# Altium PCB PROC106B.PcbDoc (part 5 of 8)
Units mil, origin at the board's own origin, x right, y up, seen from the top; angles counter-clockwise.
Board outline 4498.18 x 1060.53 mil, 8 copper layers (Top Layer, GND1, Sig1, PWR1, PWR2, Sig2, GND2, Bottom Layer), stack 69.602 mil thick; 439 components, 327 nets, 1548 pads, 843 vias.
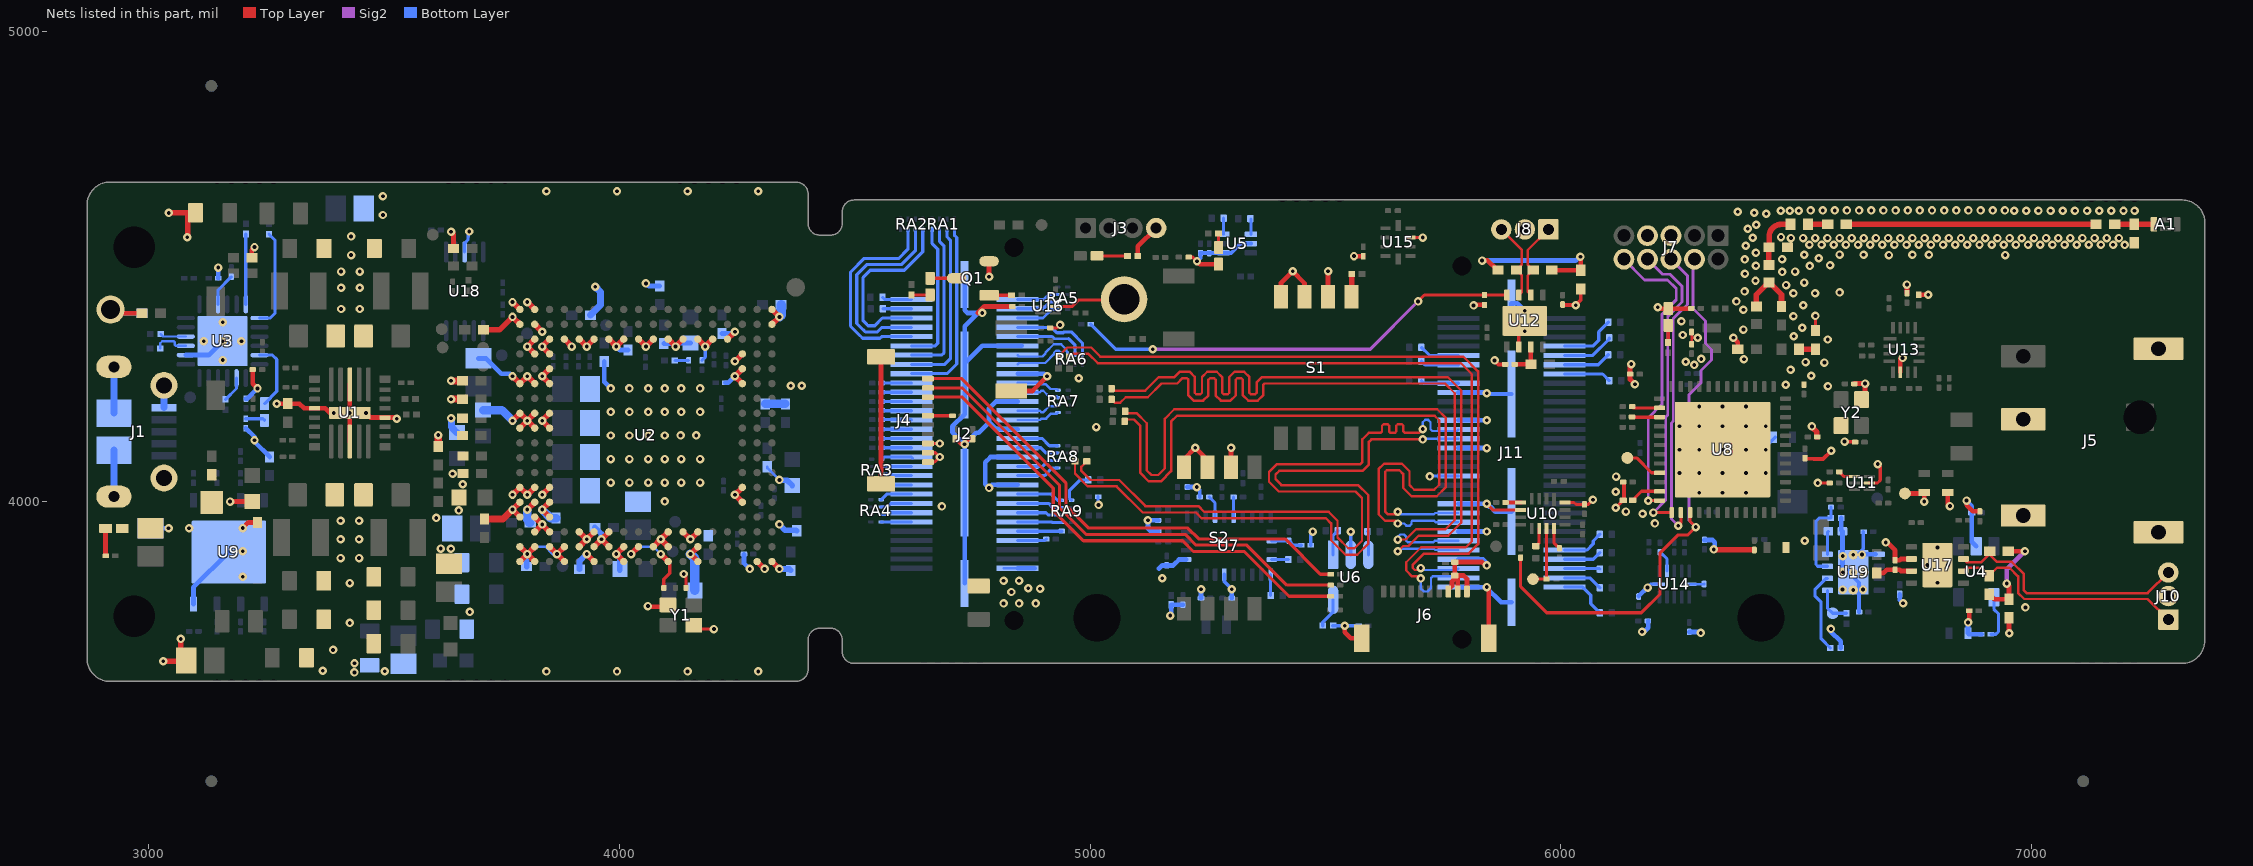
[diagram p11: the nets of this part, all layers, seen from the top]

## Via types
v1: diameter 18, hole 8, Top Layer to Bottom Layer, tented both sides, 804 vias
v2: diameter 19.68, hole 7.87, Top Layer to Bottom Layer, tented both sides, 34 vias
v3: diameter 20, hole 10, Top Layer to Bottom Layer, tented both sides, 3 vias
v4: diameter 18, hole 8, Top Layer to Bottom Layer, 1 vias
v5: diameter 17, hole 7.87, Top Layer to Bottom Layer, 1 vias

## Nets (pads, with @x,y where several pads share a name; then routed paths per layer and width w, separated by ;. In a path a pad name is that pad's centre, name@x,y a point inside that pad or via, vN(x,y) a via of type N, cw(c..) or ccw(c..) an arc to the next point about the centre after c; other vN are vias at no path point) (continued)
GND: C1.1 C2.2 C3.2 C4.2 C5.2 C6.1 C7.2 C8.2 C9.1 C10.1 C11.2 C12.1 C13.1 C14.2 C15.2 C16.2 C17.2 C18.2 C19.2 C20.2 C21.1 C23.2 C24.2 C25.2 C26.2 C27.2 C28.2 C29.2 C30.2 C31.2 C32.2 C33.1 C34.1 C35.2 C36.2 C37.2 C38.2 C39.2 C40.2 C41.2 C42.1 C43.1 C44.1 C45.1 C46.1 C47.1 C48.1 C49.1 C50.2 C51.2 C52.2 C53.2 C54.1 C55.2 C56.2 C57.2 C58.2 C59.2 C60.2 C61.2 C62.2 C63.2 C64.2 C65.2 C66.2 C67.2 C68.2 C69.2 C70.2 C71.2 C72.1 C73.1 C74.2 C75.1 C76.2 C77.1 C78.2 C79.2 C80.2 C81.2 C82.2 C83.2 C84.2 C85.2 C86.2 C87.2 C88.2 C89.2 C90.2 C91.1 C92.1 C94.2 C95.2 C96.2 C97.2 C98.2 C100.1 C101.1 C102.2 C103.2 C104.2 C105.1 C106.1 C107.2 C108.1 C109.1 C110.1 C111.1 C112.2 C113.2 C114.1 C115.2 C116.2 C117.2 C118.2 C119.2 C120.2 C121.2 C122.2 C123.2 C124.1 C125.2 C126.1 C127.2 C128.2 C129.2 C130.1 C131.1 J1.5 J1.6 J1.7 J1.8 J1.9 J1.10 J1.11 J2.20 J2.26 J2.32 J2.38 J2.44 J2.50 J2.MP1 J2.MP2 J2.MP3 J2.MP4 J3.4 J4.8 J4.9 J4.10 J4.11 J4.12 J5.2 J5.3 J5.4 J5.5 J6.8 J6.9 J6.10 J6.11 J6.12 J7.5 J7.7 J8.2 J10.2 J11.18 J11.24 J11.30 J11.36 J11.42 J11.48 J11.54 J11.60 J11.MP1 J11.MP2 J11.MP3 J11.MP4 LD1.2 LD2.2 LD6.2 Q1.2 R3.2 R15.1 R24.1 R29.1 R37.1 R42.2 R52.1 R65.1 R69.1 R73.1 R92.2 R93.2 R96.2 R98.2 R122.2 R125.1 R134.2 R141.2 R158.1 R170.1 R172.1 R180.1 S1.6 S1.7 S1.8 S2.6 S2.7 S2.8 SW2.2 TP12.1 TP15.1 TP20.1 U1.4 U1.11 U1.17 U1.24 U1.27 U2.A1 U2.A2 U2.A6 U2.A8 U2.A11 U2.A13 U2.A15 U2.A17 U2.A18 U2.B6 U2.B8 U2.B9 U2.B10 U2.B11 U2.B12 U2.B13 U2.B14 U2.B15 U2.B16 U2.B17 U2.B18 U2.C6 U2.C7 U2.C8 U2.C12 U2.C13 U2.C14 U2.C16 U2.C17 U2.D16 U2.D17 U2.D18 U2.E3 U2.E16 U2.E17 U2.E18 U2.F3 U2.F16 U2.F17 U2.F18 U2.K16 U2.K17 U2.K18 U2.L16 U2.L17 U2.L18 U2.N3 U2.N16 U2.N17 U2.N18 U2.P3 U2.P16 U2.R3 U2.R16 U2.R17 U2.T4 U2.T5 U2.T6 U2.T7 U2.T8 U2.T9 U2.T10 U2.T11 U2.T12 U2.T13 U2.T14 U2.T15 U2.T16 U2.T17 U2.U1 U2.U17 U2.U18 U2.V1 U2.V17 U2.V18 U3.2 U3.25 U4.2 U5.2 U5.4 U6.2 U7.2 U7.25 U8.49 U9.4 U9.9 U10.6 U10.16 U11.2 U12.2 U12.9@5923.44,4384.46 U13.6 U14.6 U15.3 U16.2 U17.2 U17.9@6799.78,3866 U18.3 U19.5 U19.9@6621.18,3850.46 Y1.2 Y1.4 Y2.2 Y2.4 | length 11299.2
  Top Layer w5.5: C20.2@6277.6,4334.83 6277.6,4349 ; C19.2@6277.6,4361.03 6277.6,4349 ; v1(6290.81,4348.8) 6290.61,4349 6277.6,4349 ; v1@6734.81,4462 v1(6735.03,4461.78) ; v1(6780.09,4440.28) v1@6780.81,4441
  Top Layer w6: C120.2@4915.19,4369.7 4929.78,4369.7 v1(4936.18,4376.1)
  Top Layer w6.7: Y1.4@4159.47,3735.43 4164.9,3730.01 v1(4200.76,3730.01) ; J4.10@4655.33,4084.75 4669.67,4084.75 v1(4680.38,4095.46) 4671.41,4104.44 J4.9@4655.33,4104.44 ; J4.8@4655.33,4124.12 v1(4680.38,4124.12) v1@4680.56,4124.12 ; C16.2@4713.47,4134.05 4725.12,4122.4 v1(4733.36,4122.4) 4744.91,4133.95 C15.2@4750.21,4133.95 ; U16.2@4926.29,4415.28 4962.3,4415.28 4975.97,4428.95 5056.97,4428.95 5056.97,4415.28 TP20.1@5072.16,4430.47 ; R125.1@5209.37,4520.03 5217.97,4520.03 v1(5227,4511) ; U15.3@5680.77,4561.63 v1(5706.58,4561.63) ; v1(5842.34,3996.23) 5842.34,3996.09 5855.35,3983.07 U10.6@5914.31,3983.07 ; U10.16@6008.8,3998.82 6027.93,3998.82 6032.01,3994.74 C117.2@6050.15,3994.74 6058,3994.74 v1(6068,4004.74) ; v1(6116.61,3987.62) C24.2@6132.46,4003.46 ; C21.1@6540.73,4363.78 v1(6540.73,4395.08) ; v1(6545.65,4040.29) C40.2@6571.09,4040.29 ; U11.2@6655.07,4040.29 6672.35,4040.29 6678.29,4046.23 6678.29,4075.35 v1(6673.18,4080.46)
  Top Layer w7: C71.2@4094.48,3817.45 4094.48,3836.09 4106.9,3848.51 4106.9,3867.87 4103.72,3871.04 U2.A8@4103.72,3873.41 ; v1(4136.75,3846.9) 4141.48,3842.17 C14.2@4141.48,3817.27
  Top Layer w8: v1(5299.37,4114.97) v1@5299.37,4116.68 ; v1(5859.11,4300.45) 5867.5,4292.07 C43.1@5881.77,4292.07 ; U12.2@5910.64,4329.34 5910.64,4371.67 U12.9@5923.44,4384.46 ; C105.1@6003.64,4419.31 6004.47,4418.48 6030.47,4418.48 v1(6031.3,4417.65) 6031.3,4417.89 6042.24,4428.83 6042.24,4452.55 C106.1@6042.33,4452.64 ; C26.2@6132.17,4042.21 6132.69,4042.21 6133.86,4041.04 6133.86,4004.87 C24.2@6132.46,4003.46 ; C27.2@6518.42,4093.15 6520.04,4091.53 6536.79,4091.53 6537.06,4091.26 6556.98,4091.26 v1(6574.19,4108.48) ; v1@6602.73,4128.38 v1(6602.58,4128.23) 6603.17,4127.63 6624.26,4127.63 C18.2@6624.86,4127.04
  Top Layer w10: TP12.1@2919.28,4408.64 2927.25,4400.66 C3.2@2986.2,4400.66 ; v1(3173.04,4000.84) C100.1@3220.18,4000.84 ; v1(3200,3944.52) 3211.85,3956.37 C34.1@3231.35,3956.37 ; C32.2@3219.18,4518.49 3219.18,4535.59 v1(3225,4541.42) ; R52.1@3221.07,4281.06 3221.07,4251.35 v1(3231.35,4241.06) ; v1(3272.33,4208.69) C30.2@3295.87,4208.69 3320.4,4208.69 3330.24,4198.85 U1.17@3352.68,4198.85 3375,4198.85 3384.84,4189 v2(3393.23,4189) v2(3427.48,4189) ; U1.24@3427.48,4128.37 v2(3427.48,4189) ; U1.11@3427.48,4249.63 v2(3427.48,4189) ; v1@3526.45,4176.66 3523.96,4179.16 U1.4@3502.28,4179.16 3471.57,4179.16 v2(3461.73,4189) v2(3427.48,4189) ; v1(3642.62,4573.74) 3647.82,4568.54 C31.2@3647.82,4538.34 ; v1@4060.76,3777.29 Y1.2@4095.71,3777.29 ; J4.12@4555.92,4038.49 J4.11@4555.92,4308.18 ; 4761,4401.5 4774.78,4415.28 C72.1@4834.99,4415.28 ; v1(4785.33,4478.19) Q1.2@4785.33,4511.11 ; SW2.2@4832.84,4235.84 4877.59,4235.84 v1(4908.49,4266.74) ; R42.2@5101.31,4522.72 5101.31,4542.78 J3.4@5140.29,4581.75 ; S2.8@5199.37,4073.46 5199.37,4091.17 v1(5223.17,4114.97) 5249.37,4088.77 S2.7@5249.37,4073.46 ; v1(5227,4511) 5232.99,4505.01 LD2.2@5272.84,4505.01 ; S2.6@5299.37,4073.46 v1(5299.37,4114.97) ; S1.8@5405.37,4435.46 5405.37,4465 v1(5430.18,4489.81) 5455.37,4464.63 S1.7@5455.37,4435.46 ; S1.6@5505.37,4435.46 v1(5505.37,4489.81) ; v1(5540.97,3737.11) 5540.97,3723.65 5553.97,3710.65 J6.11@5577.06,3710.65 ; v1(5560.49,4522.26) 5560.83,4521.92 C123.2@5580.17,4521.92 ; J6.8@5761.12,3807.06 5761.12,3813.95 5768.6,3821.44 5768.6,3830.62 5772.77,3834.78 5772.77,3842.77 5773.74,3843.74 C116.2@5774.59,3843.74 ; J6.9@5780.8,3807.06 C116.2@5780.8,3839.39 ; J6.10@5800.49,3810.06 5800.49,3837.09 5793.83,3843.74 5775.3,3843.74 5774.59,3844.45 C115.2@5774.59,3872.2 5833.16,3872.2 5840.17,3865.19 v1(5842.34,3865.19) ; v1(5814.53,4417.41) 5815.67,4418.54 R122.2@5837.64,4418.54 ; v1(5842.34,3819.07) 5846.75,3814.66 J6.12@5846.75,3710.65 ; v1@6146.94,4292 6146.94,4260.11 v1(6157.15,4249.9) ; v1@6206.35,4410.55 LD6.2@6227.85,4410.55 C37.2@6277.18,4410.55 ; v1(6366.4,4348.67) 6375.72,4339.35 C23.2@6375.72,4324.42 ; C17.2@6623.34,4250.88 6623.85,4251.39 6646.11,4251.39 6646.11,4217.48 Y2.4@6646.03,4217.41 ; v1(6689.81,3914) 6693.4,3914 6709.78,3897.62 C108.1@6709.78,3876.02 6719.78,3876 6722.58,3878.8 U17.2@6744.66,3878.8 ; U13.6@6721.06,4275.51 v1@6721.06,4299.75 ; TP15.1@6730.81,4018 6769.81,4018 C122.2@6771.81,4020 v1(6771.81,4000.83) ; C107.2@6735.03,4443.23 v1(6735.03,4461.78) ; R141.2@6760.03,4440.28 v1(6780.09,4440.28) ; C42.1@6821.81,4020 6821.81,3995.69 v1(6826.37,3991.13) ; v1(6861.81,4003) 6861.81,3993.07 6874.85,3980.03 R134.2@6889.73,3980.03 ; v1(6864.78,3744.15) 6867.4,3746.77 C109.1@6867.4,3768.9 ; C110.1@6951.81,3753.93 6951.81,3721.5 v1(6952.41,3720.9) ; v1@6986.5,3776.31 v1(6986.81,3776) ; v1@6721.06,4299.75 6721.06,4304.25 6720.81,4304 6720.81,4300 v1@6721.06,4299.75
  Top Layer w12: v1(3031.17,3661.73) 3068.28,3661.73 v1(3068.28,3709.04) ; v1(3043,4614) 3082.85,4614 3082.85,4566.15 3083,4566 3083,4563 v1(3082,4562) ; C126.1@3721.06,4365.53 3745.45,4365.53 v1(3773.02,4393.1) U2.U18@3788.76,4377.35 ; v1(3773.02,4015.14) U2.F18@3788.76,4030.89 v1(3804.51,4015.14) U2.F17@3820.26,4030.89 ; v1(3773.02,4172.62) U2.L18@3788.76,4188.37 v1(3804.51,4172.62) ; v1(3773.02,4267.11) U2.N18@3788.76,4251.36 v1(3804.51,4267.11) U2.N17@3820.26,4251.36 ; v1(3773.02,4424.59) U2.V18@3788.76,4408.84 ; U2.A18@3788.76,3873.41 v1(3804.51,3889.16) ; U2.B18@3788.76,3904.91 v1(3804.51,3889.16) ; U2.D18@3788.76,3967.9 v1(3773.02,3983.65) U2.E18@3788.76,3999.4 ; U2.K18@3788.76,4156.88 v1(3804.51,4172.62) ; v1(3804.51,3983.65) U2.E17@3820.26,3999.4 ; v1(3804.51,4424.59) U2.V17@3820.26,4408.84 ; U2.A17@3820.26,3873.41 v1(3804.51,3889.16) ; U2.B17@3820.26,3904.91 v1(3804.51,3889.16) ; U2.C17@3820.26,3936.4 v1(3836.01,3952.15) ; U2.D17@3820.26,3967.9 v1(3836.01,3952.15) ; U2.K17@3820.26,4156.88 v1(3804.51,4172.62) ; U2.L17@3820.26,4188.37 v1(3804.51,4172.62) ; U2.R17@3820.26,4314.36 v1(3804.51,4330.1) U2.T17@3820.26,4345.85 ; U2.U17@3820.26,4377.35 v1(3836.01,4361.6) ; v1(3836.01,4015.14) U2.F16@3851.76,4030.89 ; U2.B16@3851.76,3904.91 v1(3867.5,3889.16) ; U2.C16@3851.76,3936.4 v1(3836.01,3952.15) ; U2.D16@3851.76,3967.9 v1(3836.01,3983.65) U2.E16@3851.76,3999.4 ; U2.K16@3851.76,4156.88 v1(3836.01,4172.62) U2.L16@3851.76,4188.37 ; U2.N16@3851.76,4251.36 v1(3836.01,4267.11) U2.P16@3851.76,4282.86 ; U2.R16@3851.76,4314.36 v1(3836.01,4330.1) U2.T16@3851.76,4345.85 ; U2.A15@3883.25,3873.41 v1(3867.5,3889.16) ; U2.B15@3883.25,3904.91 v1(3867.5,3889.16) ; U2.T15@3883.25,4345.85 v1(3899,4330.1) ; U2.B14@3914.75,3904.91 v1(3930.5,3920.65) ; U2.C14@3914.75,3936.4 v1(3930.5,3920.65) ; U2.T14@3914.75,4345.85 v1(3930.5,4330.1) U2.T13@3946.24,4345.85 ; v1(3930.5,3889.16) U2.A13@3946.24,3873.41 ; U2.B13@3946.24,3904.91 v1(3961.99,3920.65) ; U2.C13@3946.24,3936.4 v1(3930.5,3920.65) ; U2.B12@3977.74,3904.91 v1(3961.99,3920.65) ; U2.C12@3977.74,3936.4 v1(3961.99,3920.65) ; U2.T12@3977.74,4345.85 v1(3993.49,4330.1) U2.T11@4009.24,4345.85 ; U2.A11@4009.24,3873.41 v1(3993.49,3889.16) U2.B11@4009.24,3904.91 ; v1(4024.98,3889.16) U2.B10@4040.73,3904.91 ; U2.T10@4040.73,4345.85 v1(4056.48,4330.1) U2.T9@4072.23,4345.85 ; U2.B9@4072.23,3904.91 v1(4087.98,3920.65) ; v1(4087.98,3889.16) U2.A8@4103.72,3873.41 ; U2.B8@4103.72,3904.91 v1(4087.98,3920.65) ; U2.C8@4103.72,3936.4 v1(4087.98,3920.65) ; U2.T8@4103.72,4345.85 v1(4119.47,4330.1) U2.T7@4135.22,4345.85 ; U2.C7@4135.22,3936.4 v1(4150.97,3920.65) U2.C6@4166.72,3936.4 ; U2.A6@4166.72,3873.41 v1(4150.97,3889.16) U2.B6@4166.72,3904.91 ; U2.T6@4166.72,4345.85 v1(4182.46,4330.1) U2.T5@4198.21,4345.85 ; U2.T4@4229.71,4345.85 v1@4243.33,4359.47 ; v1(4245.46,4298.61) U2.R3@4261.2,4314.36 ; U2.E3@4261.2,3999.4 v1(4245.46,4015.14) U2.F3@4261.2,4030.89 ; U2.N3@4261.2,4251.36 v1(4245.46,4267.11) U2.P3@4261.2,4282.86 ; U2.A2@4292.7,3873.41 v1(4308.45,3857.66) ; U2.A1@4324.2,3873.41 v1(4339.94,3857.66) ; U2.U1@4324.2,4377.35 v1(4339.94,4393.1) U2.V1@4324.2,4408.84 ; J4.12@4543.2,4038.49 J4.12@4555.92,4038.49 ; v1(6324.59,3899.2) 6325.24,3898.55 6410.19,3898.55 C86.2@6410.84,3897.89 ; v1(6533.31,4160.3) 6533.31,4158.68 6543.7,4148.29 6543.7,4139.05 6544.53,4138.22 C35.2@6544.67,4138.22
  Top Layer w15: v1(3615.23,4141.98) 3615.31,4141.9 3615.31,4118.19 C33.1@3615.39,4118.11 ; v1(3642.62,4218.19) C58.2@3666.49,4218.19 ; v1(3642.62,4257.19) C57.2@3666.49,4257.19 ; C68.2@3713.57,3963.48 3752.84,3963.48 v1(3773.02,3983.65)
  Bottom Layer w5: v1(3804.51,3889.16) 3820.26,3904.91 3842.53,3904.91 3858.28,3889.16 v1(3867.5,3889.16) ; v1(4024.98,3889.16) 4040.73,3904.91 4072.23,3904.91 v1(4087.98,3889.16)
  Bottom Layer w5.5: C87.2@4314.32,4072.27 C87.2@4314.32,4074.75 ; v1@5840.84,4232.45 v1@5842.34,4230.95
  Bottom Layer w6: C87.2@4314.32,4072.27 v1(4339.95,4046.64) ; v1(6184.15,3818.17) 6184.15,3819.17 6190.34,3825.36 U14.6@6209.55,3825.36
  Bottom Layer w6.7: U18.3@3671.35,4530.99 3671.35,4549.56 3678.49,4556.7 3678.49,4562.64 3679.19,4563.34 3679.19,4572.25 v1(3681.35,4574.41) ; R158.1@4175.56,4300.76 4182.46,4307.66 v1(4182.46,4330.1) ; R37.1@5017.05,4011.07 5017.05,3994.49 v1(5017.88,3993.66) ; v1(5721.24,4054.26) 5722.26,4055.29 J11.36@5782.32,4055.29
  Bottom Layer w8: v1(5226.66,4031.52) 5232.92,4025.26 C13.1@5232.92,4010.48 ; v1(5227,4511) 5234.38,4518.38 C6.1@5234.38,4528.69 C125.2@5252.95,4528.69 5282.89,4528.69 U5.4@5283.23,4529.03 5299.56,4529.03 5319.24,4548.71 U5.2@5341.5,4548.71 ; U7.25@5285.04,3845.7 5285.04,3830.71 v1(5301.01,3814.73) ; R73.1@5468.87,3908 5468.87,3932.94 v1(5472.93,3937) ; R69.1@5516.13,3737.11 v1(5540.97,3737.11) C12.1@5570.91,3737.11 ; U6.2@5553.54,3887.87 v1@5553.54,3935.9 ; v1(5842.34,4230.94) 5843.78,4229.5 J11.MP2@5895.12,4229.5 ; v2(6434.91,4111.11) 6434.91,4117.1 C29.2@6455.28,4137.46 ; U19.9@6611.18,3850.46 6633.26,3828.38 C128.2@6633.26,3766.12 ; U19.9@6630.43,3888.85 6642.17,3900.59 C127.2@6642.17,3936.75
  Bottom Layer w10: TP12.1@2919.28,4408.64 2927.25,4400.66 C2.2@2986.2,4400.66 ; C4.2@3004.01,3943.79 3042.5,3943.79 v1(3042.55,3943.85) ; U3.2@3078.98,4311.9 3127.78,4311.9 v1(3157.31,4341.42) ; U9.4@3095.35,3783.06 3095.35,3818.29 U9.9@3170.35,3893.29 ; R65.1@3147.81,4475.15 v1(3147.81,4497.8) ; R15.1@3206.52,4156.7 3225,4138.23 v1(3225,4131.09) 3225,4127.61 C101.1@3257.08,4095.53 ; R172.1@3206.71,4219.46 3209.74,4219.46 v1(3231.35,4241.06) ; C59.2@3700.56,4304.79 3716.67,4304.79 3749.01,4272.45 3767.67,4272.45 v1(3773.02,4267.11) ; v1@3803.07,3887.72 v1(3804.51,3889.16) ; C130.1@3967.83,4298.36 3967.83,4254.78 v1(3981.48,4241.13) ; v1(3993.49,4330.1) 4001.06,4322.53 C61.2@4018.33,4322.53 ; v1@4018.33,4244.28 v1(4021.48,4241.13) ; v1(4056.48,4464.26) 4062.15,4458.59 C88.2@4085.98,4458.59 ; C96.2@4094.31,4336.45 4113.12,4336.45 v1(4119.47,4330.1) 4126.88,4337.51 C103.2@4150.97,4337.51 ; C91.1@4218.02,4357.96 4241.82,4357.96 v1(4245.46,4361.6) ; R170.1@4224.75,4253.13 4231.48,4253.13 v1(4245.46,4267.11) ; R3.2@4264.78,3889.16 4264.78,3869.84 v1(4276.95,3857.66) ; J2.MP1@4733.36,3826.98 J2.MP2@4733.36,4019.5 v1(4733.36,4122.4) ; J2.MP4@4733.36,4462.02 4733.36,4407.3 4739.16,4401.5 4761,4401.5 ; J2.MP3@4736.75,4297.57 4770.69,4331.51 J2.50@4846.16,4331.51 J2.50@4854.52,4331.51 ; 4761,4400.78 4733.36,4373.14 J2.MP3@4733.36,4269.5 4733.36,4186.13 4707.57,4160.34 4707.57,4148.19 v1(4733.36,4122.4) ; J2.20@4846.16,4036.23 4791.73,4036.23 v1(4785.33,4029.82) 4777.36,4037.79 4777.36,4084.26 4788.39,4095.29 J2.26@4846.16,4095.29 ; J2.32@4846.16,4154.34 4800.11,4154.34 4785.32,4169.13 ; J2.38@4846.16,4213.4 4800.11,4213.4 4785.32,4198.61 4785.32,4169.13 ; J2.44@4846.16,4272.45 4902.77,4272.45 v1(4908.49,4266.74) ; v1(5122.82,3961) 5122.82,3943.75 5128.58,3938 R96.2@5144.96,3938 ; v1(5122.82,3961) R98.2@5144.48,3961 ; 5146.22,3858.44 5152.95,3865.16 C10.1@5162.69,3865.16 5176.2,3865.16 5179.53,3868.48 5179.62,3868.48 5188.83,3877.69 U7.2@5203.84,3877.69 ; v1@5172.1,3758.57 C11.2@5172.1,3781.54 C9.1@5197.1,3781.54 ; R93.2@5206.3,4031.52 v1(5226.66,4031.52) ; C38.2@5235.57,3795.56 v1(5235.57,3814.73) ; C39.2@5301.01,3795.56 v1(5301.01,3814.73) ; J11.60@5782.32,3819.07 5840.84,3819.07 5872.92,3786.98 J11.MP4@5895.12,3786.98 ; J11.54@5782.32,3878.12 5834.41,3878.12 v1@5842.34,3870.19 ; J11.48@5782.32,3937.18 v1@5840.84,3937.18 ; J11.42@5782.32,3996.23 5840.84,3996.23 5847.42,3989.65 5850.7,3989.65 5860.85,3979.5 J11.MP3@5895.12,3979.5 ; J11.30@5782.32,4114.34 v1@5840.84,4114.34 ; J11.24@5782.32,4173.4 v1@5840.84,4173.4 ; J11.18@5782.32,4232.45 v1@5840.84,4232.45 ; 5895.12,4363.6 J11.MP1@5895.12,4422.02 5907.53,4422.02 v2(5923.44,4406.12) ; R180.1@6165.19,3800.17 6183.19,3818.17 v1(6184.15,3818.17) ; v1(6172.42,3724.14) 6176.54,3724.14 6185.59,3733.19 C114.1@6185.59,3747.34 ; C118.2@6272.5,3723.85 6295.09,3723.85 v1(6297.21,3721.73) ; C119.2@6304.91,3919.22 6321.92,3919.22 6326.59,3914.55 v1@6326.59,3899.2 ; v1(6573.56,3730.29) 6573.56,3724.71 6594.25,3704.02 R92.2@6594.25,3689.74 ; R29.1@6595.21,3965.94 6595.21,3940.34 R24.1@6598.09,3937.46 6598.09,3863.56 U19.9@6611.18,3850.46 ; U19.9@6630.43,3888.85 U19.5@6668.27,3888.85 ; C129.2@6719.58,3803.87 6719.58,3791.85 v1(6726.69,3784.74) ; v1(6861.81,4003) 6861.81,4001.72 6872.94,3990.59 C5.2@6872.94,3977 6872.94,3915 U4.2@6882.18,3905.76 ; v1(6864.78,3744.15) C7.2@6864.78,3720.79 6866.57,3719.01 C8.2@6893.18,3719.01 ; v1(4733.36,4122.4) 4757.94,4146.98 4763.16,4146.98 4785.32,4169.13
  Bottom Layer w12: C69.2@3803.07,3862.61 v1@3803.07,3887.72 ; C63.2@3915.38,3856.83 3915.38,3874.05 v1(3930.5,3889.16) ; C64.2@3948.01,3945.83 3961.99,3931.85 v1(3961.99,3920.65) ; v1(3993.49,3889.16) 4001.11,3881.54 C90.2@4001.11,3857.43 C90.2@4001.11,3855.43 ; v1(4339.94,3857.66) 4360.97,3857.66 C94.2@4364,3854.63 ; v1(4339.94,3952.15) 4352.19,3939.9 4375.34,3939.9 C95.2@4376.53,3938.72 ; v1@4348.33,4046 4356.28,4046 C102.2@4367.44,4034.84
  Bottom Layer w15: J1.6@2926.36,4011.35 2926.36,4034.99 J1.7@2926.36,4109.78 ; J1.8@2926.36,4188.52 2926.36,4263.31 ; J1.5@3032.66,4200.33 J1.10@3032.66,4247.58 ; v1(3642.64,4177.66) 3643.22,4177.08 3643.22,4159.64 3645.99,4156.87 3645.99,4155.89 3654.24,4147.64 C83.2@3655.22,4147.64 ; C98.2@3938.33,4396.76 3960.19,4418.63 3960.19,4445.69 v1(3948.76,4457.12)
  Bottom Layer w18: C79.2@3710.6,4195.01 3750.63,4195.01 v1(3773.02,4172.62) ; v1(3804.51,3983.65) 3804.51,3961.8 3807.82,3958.49 3807.82,3956.52 3808.66,3955.68 C67.2@3810.63,3955.68 ; v1(3836.01,3983.65) 3854.19,3965.46 C66.2@3865.49,3965.46 ; C60.2@4309.75,4208.14 C92.1@4352.69,4208.14
  Bottom Layer w19.68: v1(4339.94,4393.1) 4343.63,4396.79 C56.2@4343.63,4419.07
  Bottom Layer w20: v1(4150.97,3889.16) 4160.53,3879.6 C89.2@4160.53,3811.96
  other v1: 3437.24,3637.77 3845,3640 3995,3640 4145,3640 4295,3640 3501.78,3640.53 3370.14,3641.55 3437.41,3657.14 3392.01,3685.56 3427.5,3742.94 5170.1,3758.57 3682.29,3766.43 4060.76,3778.81 6598.2,3813.91 6641.68,3813.91 3427.5,3827.52 5153.05,3837.96 3200,3840.9 6621.18,3850.46 3407.79,3880.66 3447.16,3880.66 6598.73,3884.93 6639.57,3888.2 3200,3895.28 3620.78,3900.91 3642.2,3900.58 6517.93,3917.64 3407.79,3920.66 3447.16,3920.66 5553.54,3936.9 5842.34,3937.18 3086,3944 6199.58,3954.37 3407.79,3960.25 3447.16,3960.25 3611.2,3966.06 6173.42,3975.06 6138.22,3979.46 3658.91,3981.83 4685.21,3990.4 4096.48,4001.13 6116.61,4021.48 3667.38,4037.8 3981.48,4041.13 4021.48,4041.13 4061.48,4041.13 4096.48,4041.13 4131.48,4041.13 4171.48,4041.13 6117.16,4053.82 3645.69,4059.82 3981.48,4091.13 4021.48,4091.13 4061.48,4091.13 4096.48,4091.13 4131.48,4091.13 4171.48,4091.13 5842.34,4114.34 3981.48,4141.13 4021.48,4141.13 4061.48,4141.13 4096.48,4141.13 4130,4141.16 4163.52,4141.2 5012.83,4158.94 5842.34,4173.4 3527.25,4176.66 3981.48,4191.13 4021.48,4191.13 4061.48,4191.13 4096.48,4191.13 4131.48,4191.13 4171.48,4191.13 4061.48,4241.13 4096.48,4241.13 4131.48,4241.13 4171.48,4241.13 6567.18,4245.75 4363.84,4246.9 4387.42,4246.76 6477.81,4248.79 6646.18,4251.46 4975.95,4262.89 6531.81,4268 6487.81,4281 6283.37,4291.04 6149.27,4292.84 6559.81,4296 6519.81,4297.07 6265.28,4297.89 3157.31,4301.42 6388.81,4303 6298.05,4303.82 6725.81,4306 3117.31,4341.42 3197.31,4341.42 6566.81,4345 6494.81,4351.83 6258.88,4354.6 6387.81,4366 6512.81,4370 3157.31,4381.42 6256.1,4383.77 6493.81,4394.36 4771,4401.5 6387.81,4408 3408.97,4409.8 3448.34,4409.8 6205.62,4413.56 6514.81,4418 6372.91,4426 6493.81,4443.5 6539.81,4443.5 6591.81,4445 6390.06,4447.19 3408.97,4454.79 3448.34,4454.79 6478.34,4460.66 6516.81,4466 6413.31,4469.81 6390.89,4484.62 3408.97,4489.38 3448.34,4489.38 6470.39,4488.58 6497.5,4489.4 6528.81,4501.37 6414.18,4501.81 6571.81,4502.89 6390.62,4515.12 6469.81,4515.56 6547.81,4517.37 3430,4524.36 6696.81,4524.37 6943.81,4524.37 6517.09,4524.83 6642.81,4524.83 6746.64,4524.83 6781.79,4524.83 6591.83,4525.52 6414.36,4529.3 6392.81,4544.21 6527.94,4546.17 6553.74,4546.16 6579.54,4546.16 6605.34,4546.16 6631.14,4546.16 6656.94,4546.16 6682.74,4546.16 6708.54,4546.16 6734.34,4546.16 6760.15,4546.16 6785.95,4546.16 6811.75,4546.15 6837.55,4546.15 6863.35,4546.15 6889.15,4546.15 6914.95,4546.15 6940.75,4546.15 6966.55,4546.15 6992.35,4546.15 7018.16,4546.15 7043.96,4546.15 7069.76,4546.15 7095.56,4546.14 7121.36,4546.14 7147.16,4546.14 7172.96,4546.14 7197.56,4546.03 6488.63,4560.48 6514.43,4560.48 6540.23,4560.48 6566.03,4560.48 6591.83,4560.48 6617.64,4560.47 6643.44,4560.47 6669.24,4560.47 6695.04,4560.47 6720.84,4560.47 6746.64,4560.47 6772.44,4560.47 6798.24,4560.47 6824.04,4560.47 6849.84,4560.47 6875.65,4560.46 6901.45,4560.46 6927.25,4560.46 6953.05,4560.46 6978.85,4560.46 7004.65,4560.46 7030.45,4560.46 7056.25,4560.46 7082.05,4560.46 7107.85,4560.45 7133.66,4560.45 7159.46,4560.45 7185.26,4560.45 6407.43,4561.08 6467.49,4562.71 3430,4563.95 6396.81,4580.37 6414.7,4588.53 3497.67,4609.47 6436.24,4611.91 6410.81,4614.37 6375.72,4616.37 6962.81,4618.37 6988.61,4618.37 7014.41,4618.37 7040.21,4618.37 7066.02,4618.37 7091.82,4618.38 7117.62,4618.38 7143.42,4618.38 7169.22,4618.38 7195.02,4618.38 7218.63,4618.38 6466.94,4618.59 6486.08,4618.57 6505.22,4618.56 6530.23,4619.19 6556.03,4619.19 6581.83,4619.19 6607.64,4619.19 6633.44,4619.19 6659.24,4619.19 6685.04,4619.19 6710.84,4619.2 6736.64,4619.2 6762.44,4619.2 6788.24,4619.2 6814.04,4619.2 6839.84,4619.2 6865.65,4619.2 6891.45,4619.2 6917.25,4619.2 6943.05,4619.2 3497.67,4649.07 3845,4660 3995,4660 4145,4660 4295,4660
  other v2: 6621.18,3813.06 6799.78,3828.6 6598.54,3850.46 6643.82,3850.46 6778.13,3866 6821.43,3866 6621.18,3887.86 6799.78,3903.4 6293.77,4019.57 6343.38,4019.57 6392.99,4019.57 6251.84,4061.5 6293.77,4061.5 6343.38,4061.5 6392.99,4061.5 6434.91,4061.5 6251.84,4111.11 6293.77,4111.11 6343.38,4111.11 6392.99,4111.11 6251.84,4160.71 6293.77,4160.71 6343.38,4160.71 6392.99,4160.71 6434.91,4160.71 6293.77,4202.64 6343.38,4202.64 6392.99,4202.64 5923.44,4362.81